# KiCad board PCB.kicad_pcb (continued)
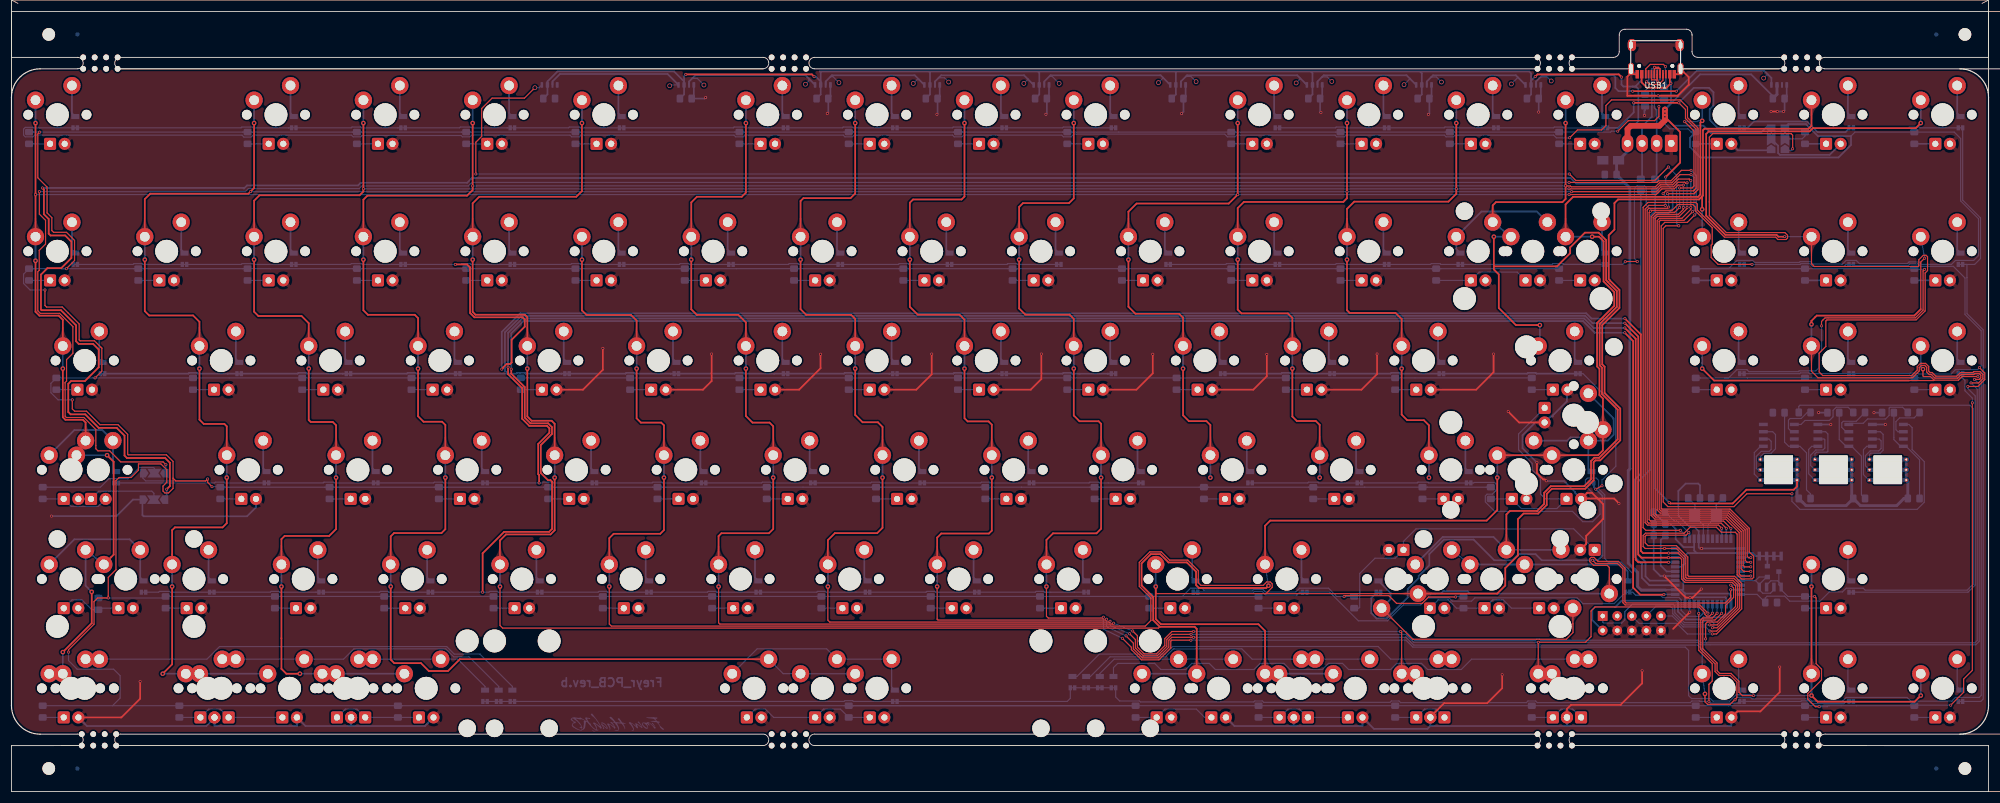
[diagram p0: board, top side]
## Copper pours and planes (outline as drawn; the poured copper is in the pictures) (continued)
/Col4 on Top: 61.19,100 61.18,99.74 61.15,99.49 61.11,99.25 61.05,99.02 60.96,98.8 60.87,98.58 60.75,98.38 60.61,98.18 60.46,97.99 60.29,97.81 61.34,95.99 62.39,97.81 62.22,97.99 62.07,98.18 61.93,98.38 61.81,98.58 61.71,98.8 61.63,99.02 61.57,99.25 61.53,99.49 61.5,99.74 61.49,100
/Col4 on Bottom: 134.51,20.45 134.72,20.44 134.92,20.41 135.12,20.36 135.32,20.29 135.51,20.2 135.71,20.1 135.9,19.98 136.09,19.83 136.28,19.67 136.47,19.49 138.29,20.54 136.47,21.59 136.28,21.41 136.09,21.25 135.9,21.11 135.71,20.98 135.51,20.88 135.32,20.8 135.12,20.73 134.92,20.68 134.72,20.66 134.51,20.65
/Col4 on Bottom: 134.44,20.76 134.26,20.96 134.09,21.16 133.95,21.38 133.82,21.6 133.72,21.82 133.63,22.06 133.56,22.3 133.52,22.55 133.49,22.8 133.48,23.06 131.45,23.61 132,21.58 132.26,21.57 132.52,21.55 132.76,21.5 133.01,21.43 133.24,21.35 133.47,21.24 133.69,21.11 133.9,20.97 134.1,20.8 134.3,20.62
/Col4 on Bottom: 143.68,20.44 143.96,20.43 144.22,20.4 144.47,20.35 144.71,20.29 144.95,20.2 145.18,20.1 145.39,19.97 145.6,19.83 145.8,19.67 145.99,19.49 147.81,20.54 145.99,21.59 145.8,21.41 145.6,21.25 145.39,21.11 145.18,20.98 144.95,20.88 144.71,20.79 144.47,20.73 144.22,20.68 143.96,20.65 143.68,20.64
/Col4 on Bottom: 140.92,20.64 140.65,20.65 140.39,20.68 140.13,20.73 139.89,20.79 139.65,20.88 139.43,20.98 139.21,21.11 139,21.25 138.8,21.41 138.61,21.59 136.79,20.54 138.61,19.49 138.8,19.67 139,19.83 139.21,19.97 139.43,20.1 139.65,20.2 139.89,20.29 140.13,20.35 140.39,20.4 140.65,20.43 140.92,20.44
/Col4 on Bottom: 266.26,80.96 266.19,80.7 266.12,80.45 266.03,80.21 265.93,79.98 265.82,79.75 265.7,79.54 265.56,79.33 265.41,79.13 265.25,78.94 265.08,78.76 266.13,76.94 267.18,78.76 267.01,78.94 266.86,79.13 266.74,79.33 266.65,79.54 266.57,79.75 266.52,79.98 266.49,80.21 266.49,80.45 266.51,80.7 266.56,80.96
/Col4 on Bottom: 258.21,44.27 258.38,44.1 258.53,43.91 258.66,43.72 258.77,43.52 258.86,43.31 258.94,43.09 259,42.87 259.04,42.63 259.06,42.39 259.07,42.14 261.1,41.6 260.56,43.63 260.31,43.64 260.07,43.66 259.83,43.7 259.61,43.76 259.39,43.84 259.18,43.93 258.98,44.04 258.79,44.17 258.6,44.32 258.43,44.49
/Col4 on Bottom: 246.08,41.2 246.05,41.18 245.99,41.16 245.91,41.14 245.81,41.12 245.68,41.11 245.54,41.1 245.36,41.09 245.17,41.09 244.95,41.09 244.71,41.09 244.17,39.06 246.2,39.6 246.19,39.85 246.2,40.06 246.2,40.26 246.21,40.43 246.21,40.58 246.23,40.71 246.24,40.81 246.26,40.89 246.27,40.95 246.3,40.99
/Col4 on Bottom: 266.84,41.98 267.09,41.97 267.34,41.94 267.58,41.9 267.81,41.84 268.04,41.75 268.25,41.66 268.46,41.54 268.65,41.4 268.84,41.25 269.02,41.08 270.85,42.13 269.02,43.18 268.84,43.01 268.65,42.86 268.46,42.72 268.25,42.6 268.04,42.5 267.81,42.42 267.58,42.36 267.34,42.32 267.09,42.29 266.84,42.28
/Col4 on Bottom: 263.83,42.28 263.57,42.29 263.32,42.32 263.08,42.36 262.85,42.42 262.63,42.5 262.42,42.6 262.21,42.72 262.01,42.86 261.82,43.01 261.64,43.18 259.82,42.13 261.64,41.08 261.82,41.25 262.01,41.4 262.21,41.54 262.42,41.66 262.63,41.75 262.85,41.84 263.08,41.9 263.32,41.94 263.57,41.97 263.83,41.98
/Col4 on Bottom: 258.39,96.59 258.59,96.58 258.79,96.56 258.99,96.51 259.18,96.45 259.38,96.37 259.56,96.27 259.75,96.15 259.93,96.01 260.12,95.86 260.29,95.69 262.11,96.74 260.29,97.79 260.12,97.62 259.93,97.47 259.75,97.33 259.56,97.21 259.38,97.12 259.18,97.03 258.99,96.97 258.79,96.93 258.59,96.9 258.39,96.89
/Col4 on Bottom: 75.78,55.38 75.79,55.64 75.81,55.89 75.86,56.13 75.92,56.36 76,56.58 76.1,56.8 76.22,57 76.35,57.2 76.51,57.39 76.68,57.57 75.63,59.39 74.58,57.57 74.75,57.39 74.9,57.2 75.04,57 75.15,56.8 75.25,56.58 75.33,56.36 75.4,56.13 75.44,55.89 75.47,55.64 75.48,55.38
/Col4 on Bottom: 71.01,74.43 71.02,74.69 71.05,74.94 71.1,75.18 71.16,75.41 71.24,75.63 71.34,75.85 71.46,76.05 71.59,76.25 71.74,76.44 71.91,76.62 70.86,78.44 69.81,76.62 69.99,76.44 70.14,76.25 70.27,76.05 70.39,75.85 70.49,75.63 70.57,75.41 70.63,75.18 70.68,74.94 70.71,74.69 70.71,74.43
/Col4 on Bottom: 61.49,93.48 61.5,93.74 61.53,93.99 61.57,94.23 61.63,94.46 61.71,94.68 61.81,94.9 61.93,95.1 62.07,95.3 62.22,95.49 62.39,95.67 61.34,97.49 60.29,95.67 60.46,95.49 60.61,95.3 60.75,95.1 60.87,94.9 60.96,94.68 61.05,94.46 61.11,94.23 61.15,93.99 61.18,93.74 61.19,93.48
/Col4 on Bottom: 260.83,97.36 260.63,97.53 260.46,97.7 260.3,97.89 260.16,98.08 260.03,98.29 259.93,98.5 259.84,98.72 259.77,98.95 259.72,99.18 259.68,99.43 257.6,99.75 258.37,97.79 258.62,97.81 258.86,97.81 259.1,97.79 259.33,97.76 259.56,97.7 259.79,97.62 260.01,97.53 260.22,97.41 260.43,97.28 260.64,97.13
/Col4 on Bottom: 258.73,98.66 258.92,98.49 259.1,98.31 259.26,98.13 259.4,97.94 259.52,97.73 259.63,97.52 259.72,97.3 259.79,97.07 259.84,96.84 259.87,96.59 261.95,96.27 261.18,98.23 260.94,98.21 260.69,98.21 260.45,98.22 260.22,98.26 259.99,98.32 259.77,98.4 259.55,98.49 259.33,98.61 259.12,98.74 258.91,98.89
/Col4 on Bottom: 271.04,117.29 271.05,117.55 271.08,117.8 271.12,118.04 271.18,118.27 271.26,118.49 271.36,118.71 271.48,118.91 271.62,119.11 271.77,119.3 271.94,119.48 270.89,121.3 269.84,119.48 270.01,119.3 270.16,119.11 270.3,118.91 270.42,118.71 270.51,118.49 270.6,118.27 270.66,118.04 270.7,117.8 270.73,117.55 270.74,117.29
/Col4 on Bottom: 80.54,117.29 80.55,117.55 80.58,117.8 80.62,118.04 80.68,118.27 80.76,118.49 80.86,118.71 80.98,118.91 81.12,119.11 81.27,119.3 81.44,119.48 80.39,121.3 79.34,119.48 79.51,119.3 79.66,119.11 79.8,118.91 79.92,118.71 80.01,118.49 80.1,118.27 80.16,118.04 80.2,117.8 80.23,117.55 80.24,117.29
/Col4 on Bottom: 66.25,36.33 66.26,36.59 66.29,36.84 66.33,37.08 66.4,37.31 66.48,37.53 66.58,37.75 66.69,37.95 66.83,38.15 66.98,38.34 67.15,38.52 66.1,40.34 65.05,38.52 65.22,38.34 65.38,38.15 65.51,37.95 65.63,37.75 65.73,37.53 65.81,37.31 65.87,37.08 65.92,36.84 65.94,36.59 65.95,36.33
/Col5 on Top: 270.74,100 270.73,99.74 270.7,99.49 270.66,99.25 270.6,99.02 270.51,98.8 270.42,98.58 270.3,98.38 270.16,98.18 270.01,97.99 269.84,97.81 270.89,95.99 271.94,97.81 271.77,97.99 271.62,98.18 271.48,98.38 271.36,98.58 271.26,98.8 271.18,99.02 271.12,99.25 271.08,99.49 271.05,99.74 271.04,100
/Col5 on Top: 206.45,23.8 206.44,23.54 206.41,23.29 206.36,23.05 206.3,22.82 206.22,22.6 206.12,22.38 206,22.18 205.87,21.98 205.72,21.79 205.55,21.61 206.6,19.79 207.65,21.61 207.47,21.79 207.32,21.98 207.19,22.18 207.07,22.38 206.97,22.6 206.89,22.82 206.83,23.05 206.78,23.29 206.75,23.54 206.75,23.8
/Col5 on Top: 277.25,66.34 277.24,66.09 277.21,65.84 277.17,65.6 277.1,65.37 277.02,65.14 276.92,64.93 276.81,64.72 276.67,64.53 276.52,64.34 276.35,64.16 277.4,62.33 278.45,64.16 278.28,64.34 278.12,64.53 277.99,64.72 277.87,64.93 277.77,65.14 277.69,65.37 277.63,65.6 277.58,65.84 277.56,66.09 277.55,66.34
/Col5 on Top: 218.35,42.85 218.34,42.59 218.32,42.34 218.27,42.1 218.21,41.87 218.13,41.65 218.03,41.43 217.91,41.23 217.78,41.03 217.62,40.84 217.45,40.66 218.5,38.84 219.55,40.66 219.38,40.84 219.23,41.03 219.09,41.23 218.98,41.43 218.88,41.65 218.8,41.87 218.73,42.1 218.69,42.34 218.66,42.59 218.65,42.85
/Col5 on Top: 271.77,58.79 271.51,58.8 271.26,58.83 271.02,58.87 270.79,58.93 270.57,59.01 270.35,59.11 270.15,59.23 269.95,59.37 269.76,59.52 269.58,59.69 267.76,58.64 269.58,57.59 269.76,57.76 269.95,57.91 270.15,58.05 270.35,58.17 270.57,58.26 270.79,58.35 271.02,58.41 271.26,58.45 271.51,58.48 271.77,58.49
/Col5 on Top: 277.55,59.83 277.56,60.08 277.58,60.33 277.63,60.57 277.69,60.8 277.77,61.03 277.87,61.24 277.99,61.45 278.12,61.64 278.28,61.83 278.45,62.01 277.4,63.83 276.35,62.01 276.52,61.83 276.67,61.64 276.81,61.45 276.92,61.24 277.02,61.03 277.1,60.8 277.17,60.57 277.21,60.33 277.24,60.08 277.25,59.83
/Col5 on Top: 85,42.85 84.99,42.59 84.97,42.34 84.92,42.1 84.86,41.87 84.78,41.65 84.68,41.43 84.56,41.23 84.43,41.03 84.27,40.84 84.1,40.66 85.15,38.84 86.2,40.66 86.03,40.84 85.88,41.03 85.74,41.23 85.63,41.43 85.53,41.65 85.45,41.87 85.38,42.1 85.34,42.34 85.31,42.59 85.3,42.85
/Col5 on Top: 94.53,61.9 94.52,61.64 94.49,61.39 94.45,61.15 94.38,60.92 94.3,60.7 94.2,60.48 94.09,60.28 93.95,60.08 93.8,59.89 93.63,59.71 94.68,57.89 95.73,59.71 95.56,59.89 95.4,60.08 95.27,60.28 95.15,60.48 95.05,60.7 94.97,60.92 94.91,61.15 94.86,61.39 94.84,61.64 94.83,61.9
/Col5 on Top: 89.76,80.95 89.76,80.69 89.73,80.44 89.68,80.2 89.62,79.97 89.54,79.75 89.44,79.53 89.32,79.33 89.19,79.13 89.04,78.94 88.86,78.76 89.91,76.94 90.96,78.76 90.79,78.94 90.64,79.13 90.51,79.33 90.39,79.53 90.29,79.75 90.21,79.97 90.15,80.2 90.1,80.44 90.07,80.69 90.06,80.95
/Col5 on Top: 80.24,100 80.23,99.74 80.2,99.49 80.16,99.25 80.1,99.02 80.01,98.8 79.92,98.58 79.8,98.38 79.66,98.18 79.51,97.99 79.34,97.81 80.39,95.99 81.44,97.81 81.27,97.99 81.12,98.18 80.98,98.38 80.86,98.58 80.76,98.8 80.68,99.02 80.62,99.25 80.58,99.49 80.55,99.74 80.54,100
/Col5 on Top: 265.25,58.49 265.51,58.48 265.75,58.45 265.99,58.41 266.23,58.35 266.45,58.26 266.66,58.17 266.87,58.05 267.07,57.91 267.26,57.76 267.44,57.59 269.26,58.64 267.44,59.69 267.26,59.52 267.07,59.37 266.87,59.23 266.66,59.11 266.45,59.01 266.23,58.93 265.99,58.87 265.75,58.83 265.51,58.8 265.25,58.79
/Col5 on Top: 262.24,58.79 261.99,58.8 261.74,58.83 261.5,58.87 261.27,58.93 261.04,59.01 260.83,59.11 260.62,59.23 260.42,59.37 260.23,59.52 260.05,59.69 258.23,58.64 260.05,57.59 260.23,57.76 260.42,57.91 260.62,58.05 260.83,58.17 261.04,58.26 261.27,58.35 261.5,58.41 261.74,58.45 261.99,58.48 262.24,58.49
/Col5 on Bottom: 219.14,36.27 219.11,36.54 219.1,36.8 219.1,37.06 219.13,37.31 219.17,37.56 219.24,37.8 219.33,38.03 219.44,38.26 219.56,38.48 219.71,38.7 218.38,40.33 217.64,38.36 217.85,38.2 218.04,38.03 218.21,37.85 218.37,37.66 218.51,37.45 218.63,37.23 218.74,37 218.82,36.76 218.89,36.5 218.95,36.24
/Col5 on Bottom: 294.85,117.29 294.86,117.55 294.89,117.8 294.93,118.04 295,118.27 295.08,118.49 295.18,118.71 295.29,118.91 295.43,119.11 295.58,119.3 295.75,119.48 294.7,121.3 293.65,119.48 293.82,119.3 293.98,119.11 294.11,118.91 294.23,118.71 294.33,118.49 294.41,118.27 294.47,118.04 294.52,117.8 294.54,117.55 294.55,117.29
/Col5 on Bottom: 274.15,96.89 273.89,96.9 273.64,96.93 273.4,96.97 273.17,97.03 272.95,97.11 272.73,97.21 272.53,97.33 272.33,97.47 272.14,97.62 271.96,97.79 270.14,96.74 271.96,95.69 272.14,95.86 272.33,96.01 272.53,96.15 272.73,96.27 272.95,96.36 273.17,96.45 273.4,96.51 273.64,96.55 273.89,96.58 274.15,96.59
/Col5 on Bottom: 203.33,20.39 203.59,20.38 203.84,20.36 204.08,20.31 204.31,20.25 204.53,20.17 204.75,20.07 204.96,19.95 205.15,19.81 205.34,19.66 205.52,19.49 207.35,20.54 205.52,21.59 205.34,21.42 205.15,21.27 204.96,21.13 204.75,21.01 204.53,20.92 204.31,20.83 204.08,20.77 203.84,20.73 203.59,20.7 203.33,20.69
/Col5 on Bottom: 200.33,20.69 200.07,20.7 199.83,20.73 199.59,20.77 199.35,20.83 199.13,20.92 198.92,21.01 198.71,21.13 198.51,21.27 198.32,21.42 198.14,21.59 196.32,20.54 198.14,19.49 198.32,19.66 198.51,19.81 198.71,19.95 198.92,20.07 199.13,20.17 199.35,20.25 199.59,20.31 199.83,20.36 200.07,20.38 200.33,20.39
/Col5 on Bottom: 94.83,55.38 94.84,55.64 94.86,55.89 94.91,56.13 94.97,56.36 95.05,56.58 95.15,56.8 95.27,57 95.4,57.2 95.56,57.39 95.73,57.57 94.68,59.39 93.63,57.57 93.8,57.39 93.95,57.2 94.09,57 94.2,56.8 94.3,56.58 94.38,56.36 94.45,56.13 94.49,55.89 94.52,55.64 94.53,55.38
/Col5 on Bottom: 259.13,55.59 259.14,55.81 259.17,56.02 259.21,56.23 259.28,56.43 259.36,56.63 259.46,56.83 259.57,57.02 259.71,57.21 259.86,57.39 260.03,57.57 258.98,59.39 257.93,57.57 258.1,57.39 258.26,57.21 258.39,57.02 258.51,56.83 258.61,56.63 258.69,56.43 258.75,56.23 258.8,56.02 258.82,55.81 258.83,55.59
/Col5 on Bottom: 90.06,75.57 90.07,75.61 90.1,75.66 90.15,75.73 90.21,75.82 90.29,75.91 90.39,76.03 90.51,76.15 90.64,76.29 90.79,76.45 90.96,76.62 89.91,78.44 88.86,76.62 89.04,76.45 89.19,76.29 89.32,76.15 89.44,76.03 89.54,75.91 89.62,75.82 89.68,75.73 89.73,75.66 89.76,75.61 89.76,75.57
/Col5 on Bottom: 80.54,93.48 80.55,93.74 80.58,93.99 80.62,94.23 80.68,94.46 80.76,94.68 80.86,94.9 80.98,95.1 81.12,95.3 81.27,95.49 81.44,95.67 80.39,97.49 79.34,95.67 79.51,95.49 79.66,95.3 79.8,95.1 79.92,94.9 80.01,94.68 80.1,94.46 80.16,94.23 80.2,93.99 80.23,93.74 80.24,93.48
/Col5 on Bottom: 85.3,36.33 85.31,36.59 85.34,36.84 85.38,37.08 85.45,37.31 85.53,37.53 85.63,37.75 85.74,37.95 85.88,38.15 86.03,38.34 86.2,38.52 85.15,40.34 84.1,38.52 84.27,38.34 84.43,38.15 84.56,37.95 84.68,37.75 84.78,37.53 84.86,37.31 84.92,37.08 84.97,36.84 84.99,36.59 85,36.33
/Col6 on Top: 278.41,37.89 278.4,37.62 278.37,37.36 278.32,37.1 278.26,36.86 278.17,36.62 278.07,36.4 277.94,36.18 277.8,35.97 277.64,35.77 277.46,35.58 278.51,33.76 279.56,35.58 279.38,35.77 279.22,35.97 279.07,36.18 278.95,36.4 278.85,36.62 278.76,36.86 278.69,37.1 278.65,37.36 278.62,37.62 278.61,37.89
/Col6 on Top: 241.91,34.41 242.17,34.4 242.43,34.37 242.67,34.33 242.91,34.26 243.13,34.18 243.35,34.08 243.56,33.96 243.76,33.82 243.95,33.67 244.14,33.49 245.9,34.51 244.14,35.52 243.95,35.35 243.76,35.2 243.56,35.06 243.35,34.94 243.13,34.84 242.91,34.76 242.67,34.69 242.43,34.65 242.17,34.62 241.91,34.61
/Col6 on Top: 313.9,117.29 313.91,117.55 313.94,117.8 313.98,118.04 314.05,118.27 314.13,118.49 314.23,118.71 314.34,118.91 314.48,119.11 314.63,119.3 314.8,119.48 313.75,121.3 312.7,119.48 312.87,119.3 313.03,119.11 313.16,118.91 313.28,118.71 313.38,118.49 313.46,118.27 313.52,118.04 313.57,117.8 313.59,117.55 313.6,117.29
/Col6 on Top: 248.31,34.66 248.06,34.67 247.82,34.69 247.59,34.74 247.37,34.8 247.16,34.88 246.95,34.97 246.75,35.08 246.56,35.21 246.38,35.36 246.21,35.52 244.45,34.51 246.21,33.49 246.38,33.66 246.56,33.81 246.75,33.94 246.95,34.05 247.16,34.14 247.37,34.22 247.59,34.28 247.82,34.33 248.06,34.35 248.31,34.36
/Col6 on Top: 218.35,23.8 218.34,23.54 218.32,23.29 218.27,23.05 218.21,22.82 218.13,22.6 218.03,22.38 217.91,22.18 217.78,21.98 217.62,21.79 217.45,21.61 218.5,19.79 219.55,21.61 219.38,21.79 219.23,21.98 219.09,22.18 218.98,22.38 218.88,22.6 218.8,22.82 218.73,23.05 218.69,23.29 218.66,23.54 218.65,23.8
/Col6 on Top: 104.05,42.85 104.04,42.59 104.02,42.34 103.97,42.1 103.91,41.87 103.83,41.65 103.73,41.43 103.61,41.23 103.48,41.03 103.32,40.84 103.15,40.66 104.2,38.84 105.25,40.66 105.08,40.84 104.93,41.03 104.79,41.23 104.68,41.43 104.58,41.65 104.5,41.87 104.43,42.1 104.39,42.34 104.36,42.59 104.35,42.85
/Col6 on Top: 113.58,61.9 113.57,61.64 113.54,61.39 113.5,61.15 113.43,60.92 113.35,60.7 113.25,60.48 113.14,60.28 113,60.08 112.85,59.89 112.68,59.71 113.73,57.89 114.78,59.71 114.61,59.89 114.45,60.08 114.32,60.28 114.2,60.48 114.1,60.7 114.02,60.92 113.96,61.15 113.91,61.39 113.89,61.64 113.88,61.9
/Col6 on Top: 108.81,80.95 108.81,80.69 108.78,80.44 108.73,80.2 108.67,79.97 108.59,79.75 108.49,79.53 108.37,79.33 108.24,79.13 108.09,78.94 107.91,78.76 108.96,76.94 110.01,78.76 109.84,78.94 109.69,79.13 109.56,79.33 109.44,79.53 109.34,79.75 109.26,79.97 109.2,80.2 109.15,80.44 109.12,80.69 109.11,80.95
/Col6 on Bottom: 218.5,20.44 218.58,20.43 218.67,20.4 218.78,20.36 218.89,20.29 219.02,20.2 219.15,20.1 219.3,19.97 219.46,19.83 219.63,19.67 219.81,19.49 221.63,20.54 219.81,21.59 219.63,21.41 219.46,21.25 219.3,21.11 219.15,20.98 219.02,20.88 218.89,20.79 218.78,20.73 218.67,20.68 218.58,20.65 218.5,20.64
/Col6 on Bottom: 220.88,20.64 220.8,20.65 220.71,20.68 220.6,20.73 220.49,20.79 220.36,20.88 220.23,20.98 220.08,21.11 219.92,21.25 219.75,21.41 219.57,21.59 217.75,20.54 219.57,19.49 219.75,19.67 219.92,19.83 220.08,19.97 220.23,20.1 220.36,20.2 220.49,20.29 220.6,20.36 220.71,20.4 220.8,20.43 220.88,20.44
/Col6 on Bottom: 275.25,34.36 275.51,34.35 275.76,34.32 276,34.28 276.23,34.22 276.45,34.13 276.66,34.04 276.87,33.92 277.07,33.78 277.26,33.63 277.44,33.46 279.26,34.51 277.44,35.56 277.26,35.39 277.07,35.24 276.87,35.1 276.66,34.98 276.45,34.88 276.23,34.8 276,34.74 275.76,34.7 275.51,34.67 275.25,34.66
/Col6 on Bottom: 247.3,34.66 247.24,34.67 247.18,34.69 247.1,34.74 247.01,34.8 246.9,34.88 246.79,34.97 246.66,35.08 246.52,35.21 246.37,35.36 246.21,35.52 244.45,34.51 246.21,33.49 246.37,33.66 246.52,33.81 246.66,33.94 246.79,34.05 246.9,34.14 247.01,34.22 247.1,34.28 247.18,34.32 247.24,34.35 247.3,34.36
/Col6 on Bottom: 294.55,100.01 294.54,99.75 294.51,99.5 294.47,99.26 294.41,99.03 294.33,98.8 294.23,98.59 294.11,98.38 293.98,98.18 293.82,97.99 293.65,97.81 294.7,95.99 295.75,97.81 295.58,97.99 295.43,98.18 295.29,98.38 295.17,98.59 295.08,98.8 294.99,99.03 294.93,99.26 294.88,99.5 294.86,99.75 294.85,100.01
/Col6 on Bottom: 224.14,20.7 223.88,20.71 223.63,20.73 223.39,20.78 223.16,20.84 222.94,20.92 222.73,21.02 222.52,21.13 222.32,21.27 222.13,21.42 221.95,21.59 220.13,20.54 221.95,19.49 222.13,19.66 222.32,19.81 222.52,19.95 222.73,20.07 222.94,20.17 223.16,20.25 223.39,20.31 223.63,20.36 223.88,20.39 224.14,20.4
/Col6 on Bottom: 227.14,20.4 227.4,20.39 227.65,20.36 227.89,20.31 228.12,20.25 228.35,20.17 228.56,20.07 228.77,19.95 228.97,19.81 229.16,19.66 229.34,19.49 231.16,20.54 229.34,21.59 229.16,21.42 228.97,21.27 228.77,21.13 228.56,21.02 228.35,20.92 228.12,20.84 227.89,20.78 227.65,20.73 227.4,20.71 227.14,20.7
/Col6 on Bottom: 99.59,93.48 99.6,93.74 99.63,93.99 99.67,94.23 99.73,94.46 99.81,94.68 99.91,94.9 100.03,95.1 100.17,95.3 100.32,95.49 100.49,95.67 99.44,97.49 98.39,95.67 98.56,95.49 98.71,95.3 98.85,95.1 98.97,94.9 99.06,94.68 99.15,94.46 99.21,94.23 99.25,93.99 99.28,93.74 99.29,93.48
/Col6 on Bottom: 113.88,55.38 113.89,55.64 113.91,55.89 113.96,56.13 114.02,56.36 114.1,56.58 114.2,56.8 114.32,57 114.45,57.2 114.61,57.39 114.78,57.57 113.73,59.39 112.68,57.57 112.85,57.39 113,57.2 113.14,57 113.25,56.8 113.35,56.58 113.43,56.36 113.5,56.13 113.54,55.89 113.57,55.64 113.58,55.38
/Col6 on Bottom: 109.11,74.43 109.12,74.69 109.15,74.94 109.2,75.18 109.26,75.41 109.34,75.63 109.44,75.85 109.56,76.05 109.69,76.25 109.84,76.44 110.01,76.62 108.96,78.44 107.91,76.62 108.09,76.44 108.24,76.25 108.37,76.05 108.49,75.85 108.59,75.63 108.67,75.41 108.73,75.18 108.78,74.94 108.81,74.69 108.81,74.43
/Col6 on Bottom: 199.6,36.33 199.61,36.59 199.64,36.84 199.68,37.08 199.75,37.31 199.83,37.53 199.93,37.75 200.04,37.95 200.18,38.15 200.33,38.34 200.5,38.52 199.45,40.34 198.4,38.52 198.57,38.34 198.73,38.15 198.86,37.95 198.98,37.75 199.08,37.53 199.16,37.31 199.22,37.08 199.27,36.84 199.29,36.59 199.3,36.33
/Col6 on Bottom: 104.35,36.33 104.36,36.59 104.39,36.84 104.43,37.08 104.5,37.31 104.58,37.53 104.68,37.75 104.79,37.95 104.93,38.15 105.08,38.34 105.25,38.52 104.2,40.34 103.15,38.52 103.32,38.34 103.48,38.15 103.61,37.95 103.73,37.75 103.83,37.53 103.91,37.31 103.97,37.08 104.02,36.84 104.04,36.59 104.05,36.33
/Col7 on Top: 313.85,93.36 313.86,93.63 313.89,93.89 313.94,94.15 314,94.39 314.09,94.63 314.19,94.85 314.32,95.07 314.46,95.28 314.62,95.48 314.8,95.67 313.75,97.49 312.7,95.67 312.88,95.48 313.04,95.28 313.19,95.07 313.31,94.85 313.41,94.63 313.5,94.39 313.57,94.15 313.61,93.89 313.64,93.63 313.65,93.36
/Col7 on Top: 242.21,23.92 242.2,23.65 242.18,23.39 242.13,23.13 242.06,22.89 241.98,22.65 241.87,22.43 241.75,22.21 241.61,22 241.44,21.8 241.26,21.61 242.31,19.79 243.36,21.61 243.18,21.8 243.02,22 242.88,22.21 242.76,22.43 242.65,22.65 242.57,22.89 242.5,23.13 242.45,23.39 242.42,23.65 242.41,23.92
/Col7 on Top: 123.1,42.85 123.09,42.59 123.07,42.34 123.02,42.1 122.96,41.87 122.88,41.65 122.78,41.43 122.66,41.23 122.53,41.03 122.37,40.84 122.2,40.66 123.25,38.84 124.3,40.66 124.13,40.84 123.98,41.03 123.84,41.23 123.73,41.43 123.63,41.65 123.55,41.87 123.48,42.1 123.44,42.34 123.41,42.59 123.4,42.85
/Col7 on Top: 132.63,61.9 132.62,61.64 132.59,61.39 132.55,61.15 132.48,60.92 132.4,60.7 132.3,60.48 132.19,60.28 132.05,60.08 131.9,59.89 131.73,59.71 132.78,57.89 133.83,59.71 133.66,59.89 133.5,60.08 133.37,60.28 133.25,60.48 133.15,60.7 133.07,60.92 133.01,61.15 132.96,61.39 132.94,61.64 132.93,61.9
/Col7 on Top: 127.86,80.95 127.86,80.69 127.83,80.44 127.78,80.2 127.72,79.97 127.64,79.75 127.54,79.53 127.42,79.33 127.29,79.13 127.14,78.94 126.96,78.76 128.01,76.94 129.06,78.76 128.89,78.94 128.74,79.13 128.61,79.33 128.49,79.53 128.39,79.75 128.31,79.97 128.25,80.2 128.2,80.44 128.17,80.69 128.16,80.95
/Col7 on Top: 118.34,100 118.33,99.74 118.3,99.49 118.26,99.25 118.2,99.02 118.11,98.8 118.02,98.58 117.9,98.38 117.76,98.18 117.61,97.99 117.44,97.81 118.49,95.99 119.54,97.81 119.37,97.99 119.22,98.18 119.08,98.38 118.96,98.58 118.86,98.8 118.78,99.02 118.72,99.25 118.68,99.49 118.65,99.74 118.64,100
/Col7 on Bottom: 244.69,20.65 244.61,20.66 244.52,20.68 244.42,20.73 244.3,20.8 244.18,20.88 244.04,20.98 243.89,21.11 243.74,21.25 243.57,21.41 243.39,21.59 241.56,20.54 243.39,19.49 243.57,19.67 243.74,19.83 243.89,19.98 244.04,20.1 244.18,20.2 244.3,20.29 244.42,20.36 244.52,20.41 244.61,20.44 244.69,20.45
/Col7 on Bottom: 242.31,20.45 242.39,20.44 242.48,20.41 242.59,20.36 242.7,20.29 242.83,20.2 242.97,20.1 243.11,19.98 243.27,19.83 243.44,19.67 243.62,19.49 245.45,20.54 243.62,21.59 243.44,21.41 243.27,21.25 243.11,21.11 242.97,20.98 242.83,20.88 242.7,20.8 242.59,20.73 242.48,20.68 242.39,20.66 242.31,20.65
/Col7 on Bottom: 310.37,96.65 310.64,96.64 310.9,96.61 311.16,96.56 311.4,96.49 311.64,96.4 311.86,96.3 312.08,96.18 312.29,96.03 312.49,95.87 312.68,95.69 314.5,96.74 312.68,97.79 312.49,97.61 312.29,97.45 312.08,97.31 311.86,97.18 311.64,97.08 311.4,97 311.16,96.93 310.9,96.88 310.64,96.86 310.37,96.85
/Col7 on Bottom: 132.93,55.38 132.94,55.64 132.96,55.89 133.01,56.13 133.07,56.36 133.15,56.58 133.25,56.8 133.37,57 133.5,57.2 133.66,57.39 133.83,57.57 132.78,59.39 131.73,57.57 131.9,57.39 132.05,57.2 132.19,57 132.3,56.8 132.4,56.58 132.48,56.36 132.55,56.13 132.59,55.89 132.62,55.64 132.63,55.38
/Col7 on Bottom: 128.16,74.43 128.17,74.69 128.2,74.94 128.25,75.18 128.31,75.41 128.39,75.63 128.49,75.85 128.61,76.05 128.74,76.25 128.89,76.44 129.06,76.62 128.01,78.44 126.96,76.62 127.14,76.44 127.29,76.25 127.42,76.05 127.54,75.85 127.64,75.63 127.72,75.41 127.78,75.18 127.83,74.94 127.86,74.69 127.86,74.43
/Col7 on Bottom: 118.64,93.48 118.65,93.74 118.68,93.99 118.72,94.23 118.78,94.46 118.86,94.68 118.96,94.9 119.08,95.1 119.22,95.3 119.37,95.49 119.54,95.67 118.49,97.49 117.44,95.67 117.61,95.49 117.76,95.3 117.9,95.1 118.02,94.9 118.11,94.68 118.2,94.46 118.26,94.23 118.3,93.99 118.33,93.74 118.34,93.48
/Col7 on Bottom: 128.16,117.29 128.17,117.55 128.2,117.8 128.25,118.04 128.31,118.27 128.39,118.49 128.49,118.71 128.61,118.91 128.74,119.11 128.89,119.3 129.06,119.48 128.01,121.3 126.96,119.48 127.14,119.3 127.29,119.11 127.42,118.91 127.54,118.71 127.64,118.49 127.72,118.27 127.78,118.04 127.83,117.8 127.86,117.55 127.86,117.29
/Col7 on Bottom: 123.4,36.33 123.41,36.59 123.44,36.84 123.48,37.08 123.55,37.31 123.63,37.53 123.73,37.75 123.84,37.95 123.98,38.15 124.13,38.34 124.3,38.52 123.25,40.34 122.2,38.52 122.37,38.34 122.53,38.15 122.66,37.95 122.78,37.75 122.88,37.53 122.96,37.31 123.02,37.08 123.07,36.84 123.09,36.59 123.1,36.33
/Col8 on Top: 313.85,74.31 313.86,74.58 313.89,74.84 313.94,75.1 314,75.34 314.09,75.58 314.19,75.8 314.32,76.02 314.46,76.23 314.62,76.43 314.8,76.62 313.75,78.44 312.7,76.62 312.88,76.43 313.04,76.23 313.19,76.02 313.31,75.8 313.41,75.58 313.5,75.34 313.57,75.1 313.61,74.84 313.64,74.58 313.65,74.31
/Col8 on Top: 266.03,23.92 266.02,23.65 265.99,23.39 265.94,23.13 265.87,22.89 265.79,22.65 265.68,22.43 265.56,22.21 265.42,22 265.26,21.8 265.08,21.61 266.13,19.79 267.18,21.61 267,21.8 266.83,22 266.69,22.21 266.57,22.43 266.46,22.65 266.38,22.89 266.31,23.13 266.26,23.39 266.24,23.65 266.23,23.92
/Col8 on Top: 142.15,42.85 142.14,42.59 142.12,42.34 142.07,42.1 142.01,41.87 141.93,41.65 141.83,41.43 141.71,41.23 141.58,41.03 141.42,40.84 141.25,40.66 142.3,38.84 143.35,40.66 143.18,40.84 143.03,41.03 142.89,41.23 142.78,41.43 142.68,41.65 142.6,41.87 142.53,42.1 142.49,42.34 142.46,42.59 142.45,42.85
/Col8 on Top: 151.68,61.9 151.67,61.64 151.64,61.39 151.6,61.15 151.53,60.92 151.45,60.7 151.35,60.48 151.24,60.28 151.1,60.08 150.95,59.89 150.78,59.71 151.83,57.89 152.88,59.71 152.71,59.89 152.55,60.08 152.42,60.28 152.3,60.48 152.2,60.7 152.12,60.92 152.06,61.15 152.01,61.39 151.99,61.64 151.98,61.9
/Col8 on Top: 146.91,80.95 146.91,80.69 146.88,80.44 146.83,80.2 146.77,79.97 146.69,79.75 146.59,79.53 146.47,79.33 146.34,79.13 146.19,78.94 146.01,78.76 147.06,76.94 148.11,78.76 147.94,78.94 147.79,79.13 147.66,79.33 147.54,79.53 147.44,79.75 147.36,79.97 147.3,80.2 147.25,80.44 147.22,80.69 147.21,80.95
/Col8 on Top: 137.39,100 137.38,99.74 137.35,99.49 137.31,99.25 137.25,99.02 137.16,98.8 137.07,98.58 136.95,98.38 136.81,98.18 136.66,97.99 136.49,97.81 137.54,95.99 138.59,97.81 138.42,97.99 138.27,98.18 138.13,98.38 138.01,98.58 137.91,98.8 137.83,99.02 137.77,99.25 137.73,99.49 137.7,99.74 137.69,100
/Col8 on Bottom: 333.5,93.44 333.46,93.7 333.45,93.97 333.45,94.22 333.47,94.47 333.51,94.72 333.57,94.96 333.66,95.2 333.76,95.43 333.88,95.65 334.03,95.87 332.67,97.48 331.96,95.5 332.17,95.34 332.37,95.17 332.54,95 332.71,94.8 332.85,94.6 332.97,94.38 333.08,94.16 333.17,93.92 333.25,93.66 333.31,93.4